# Altium PCB 一体机V1.PcbDoc (part 1 of 5) (continued)
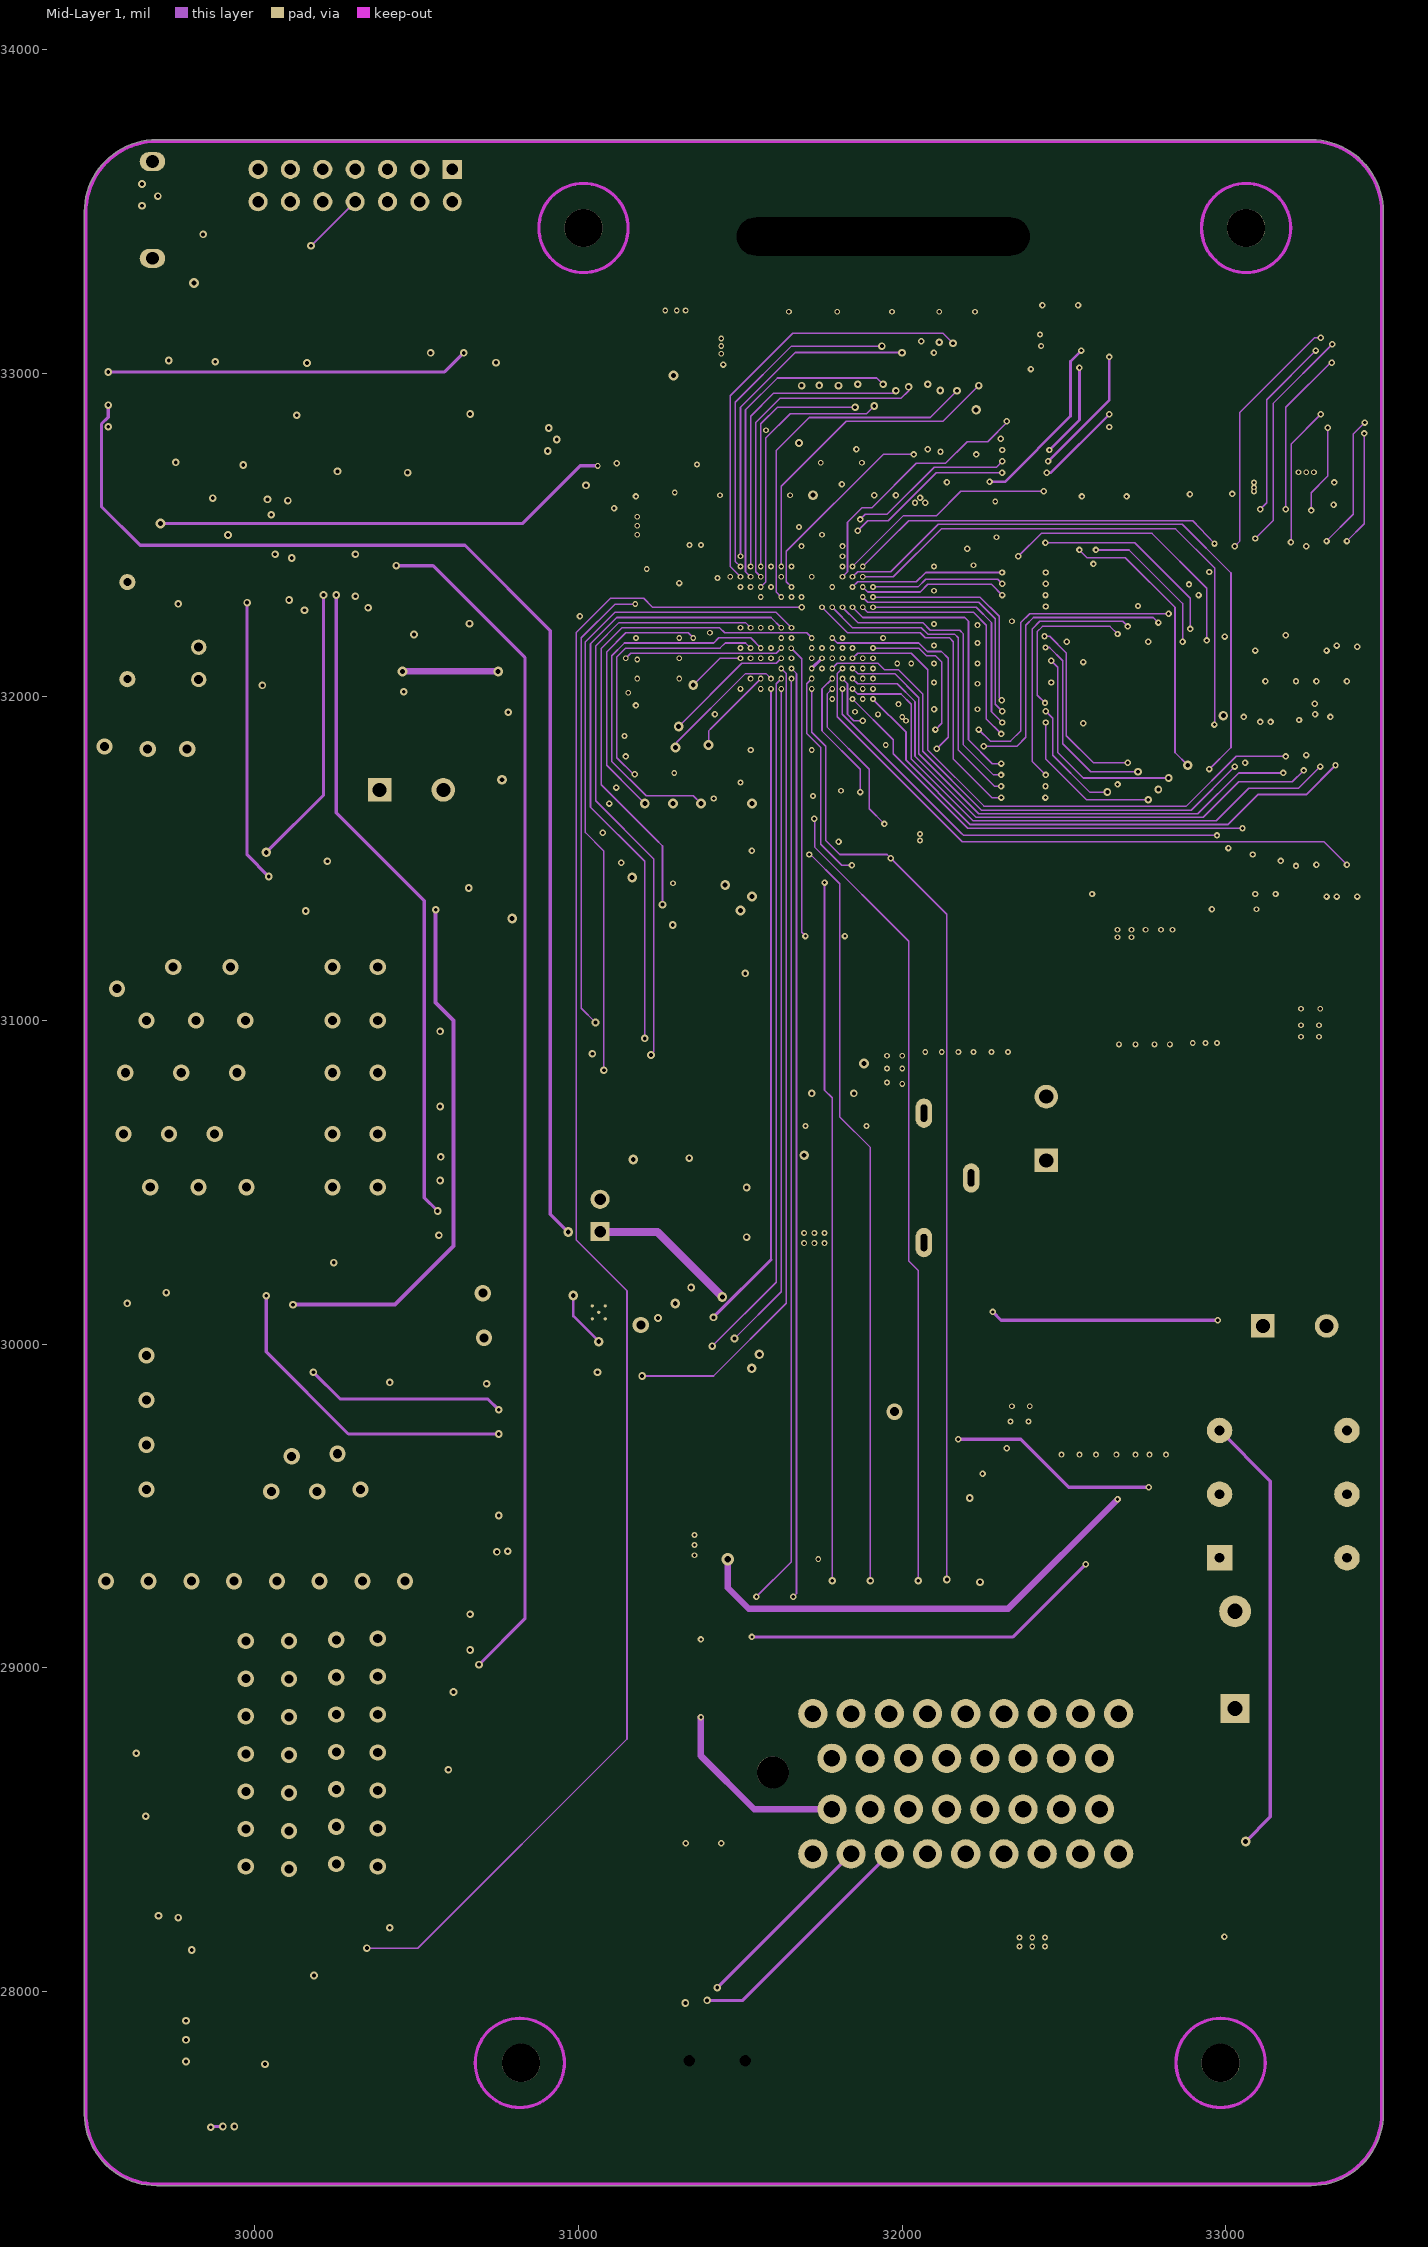
[diagram p4: Mid-Layer 1]
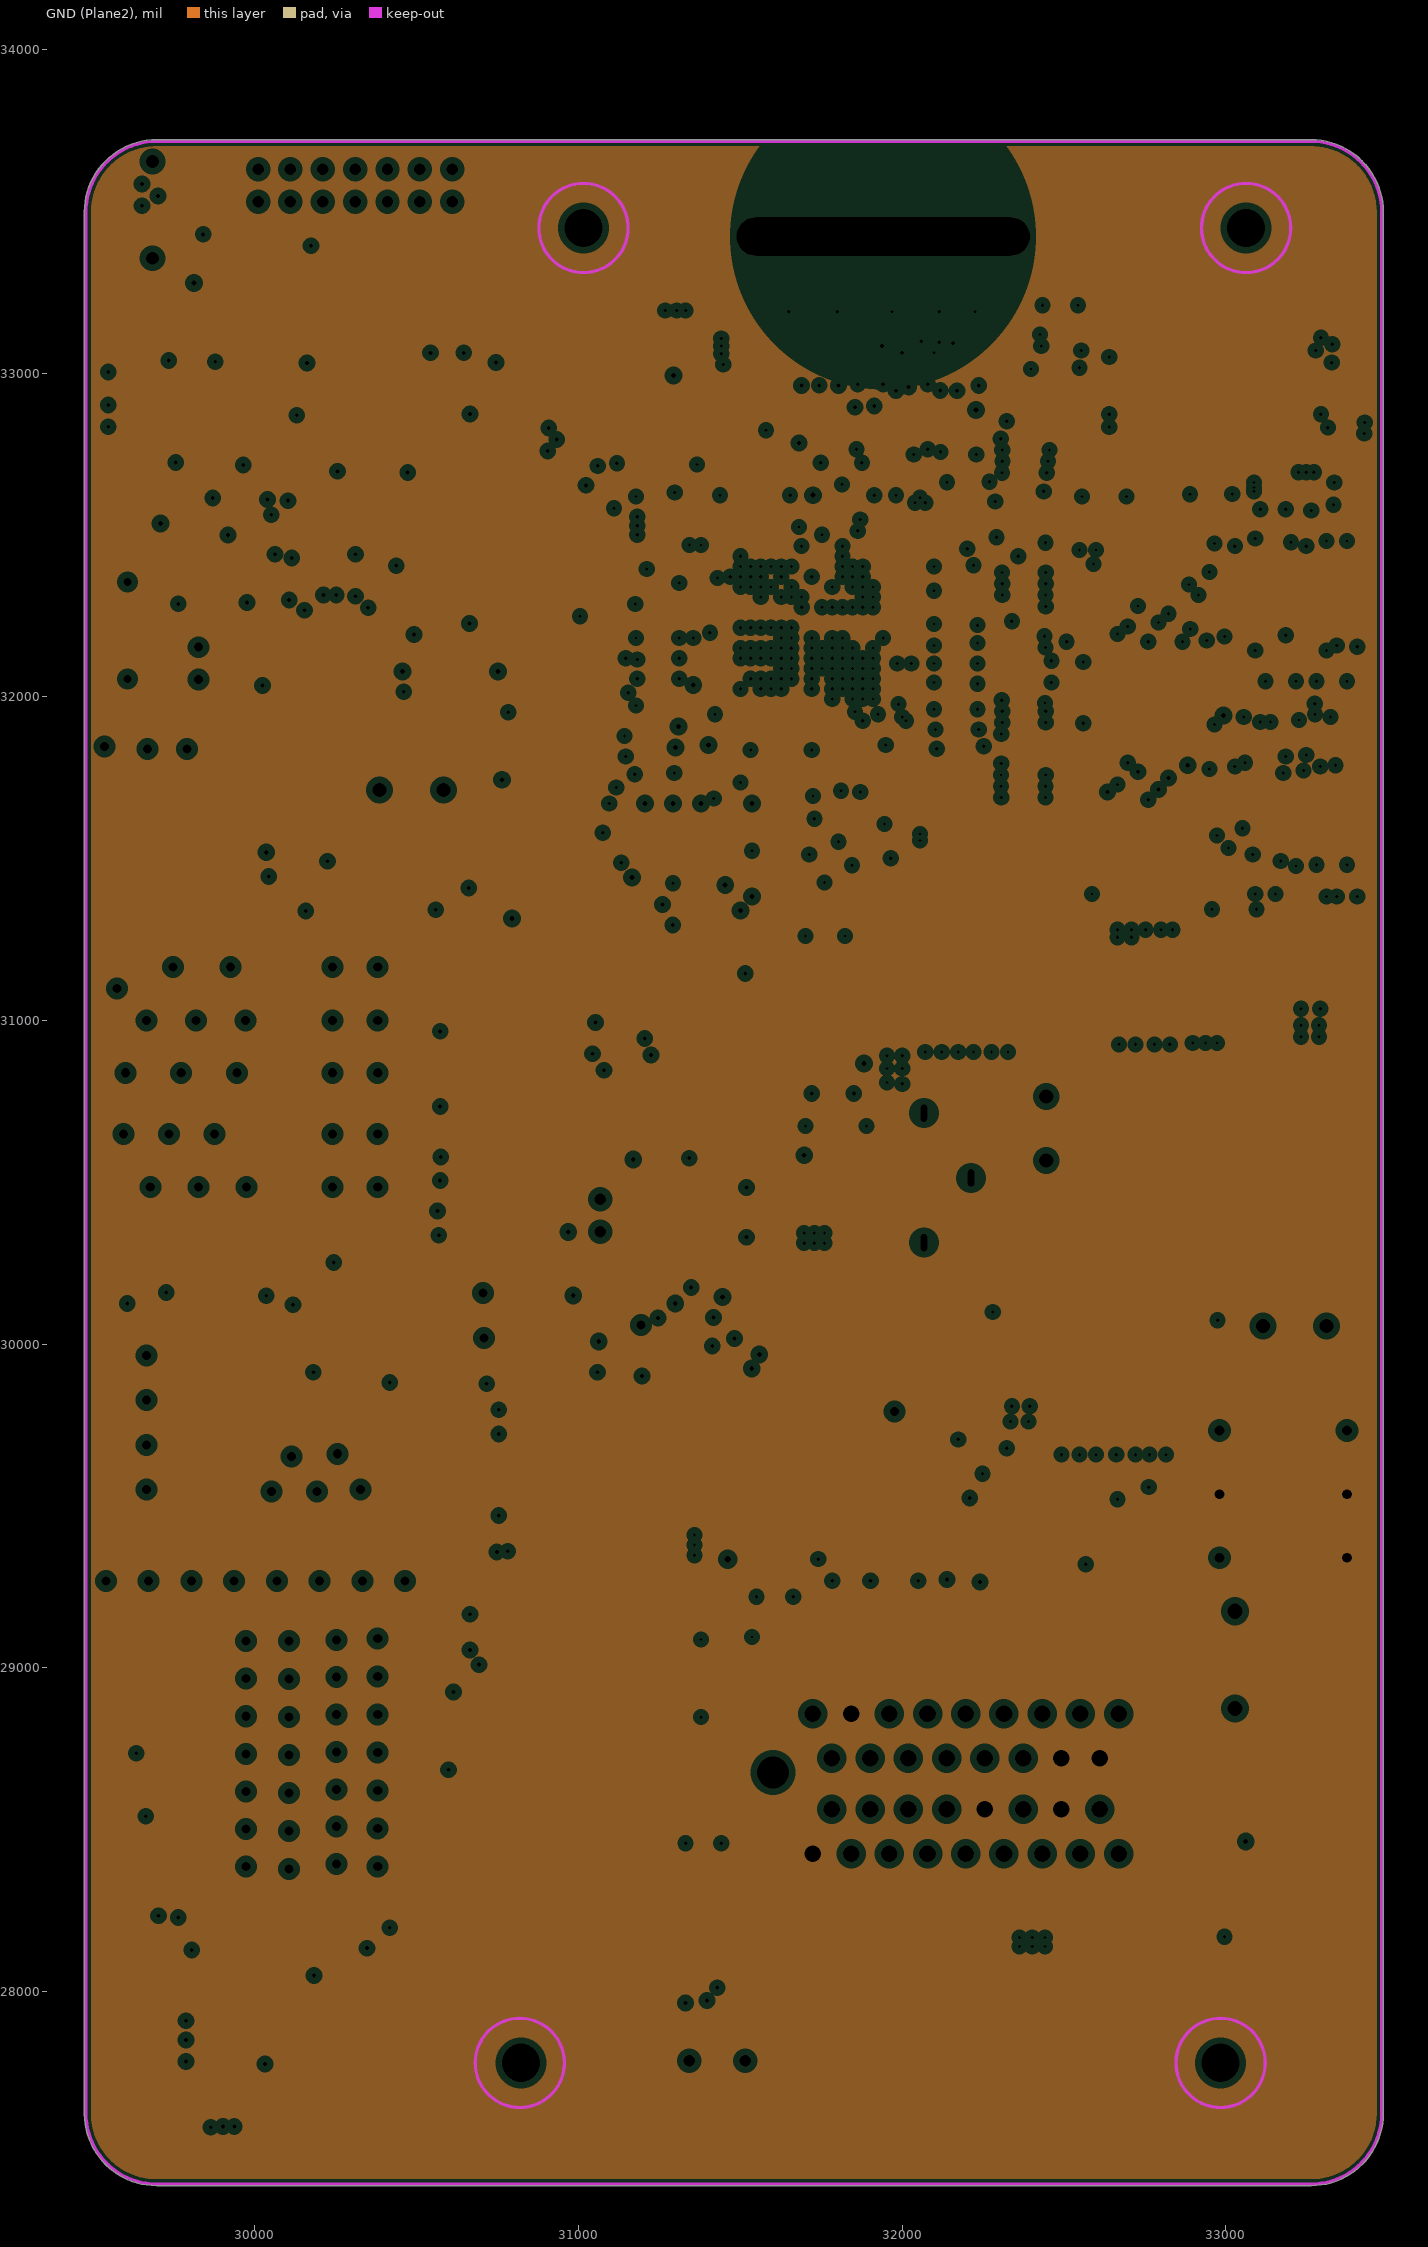
[diagram p5: GND (Plane2), clearances drawn from the general rule]
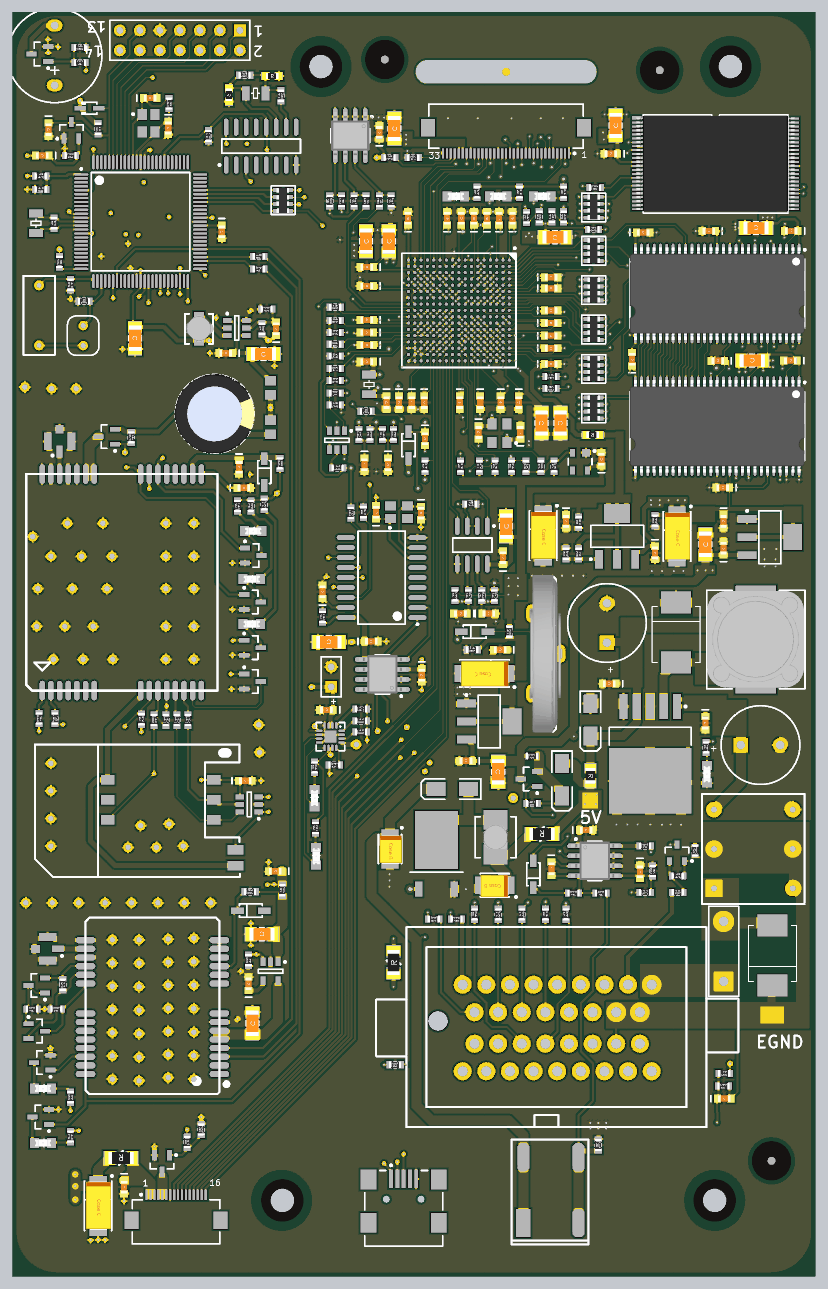
[diagram p10: 3D render of the assembled board from above, using the file's embedded part models]
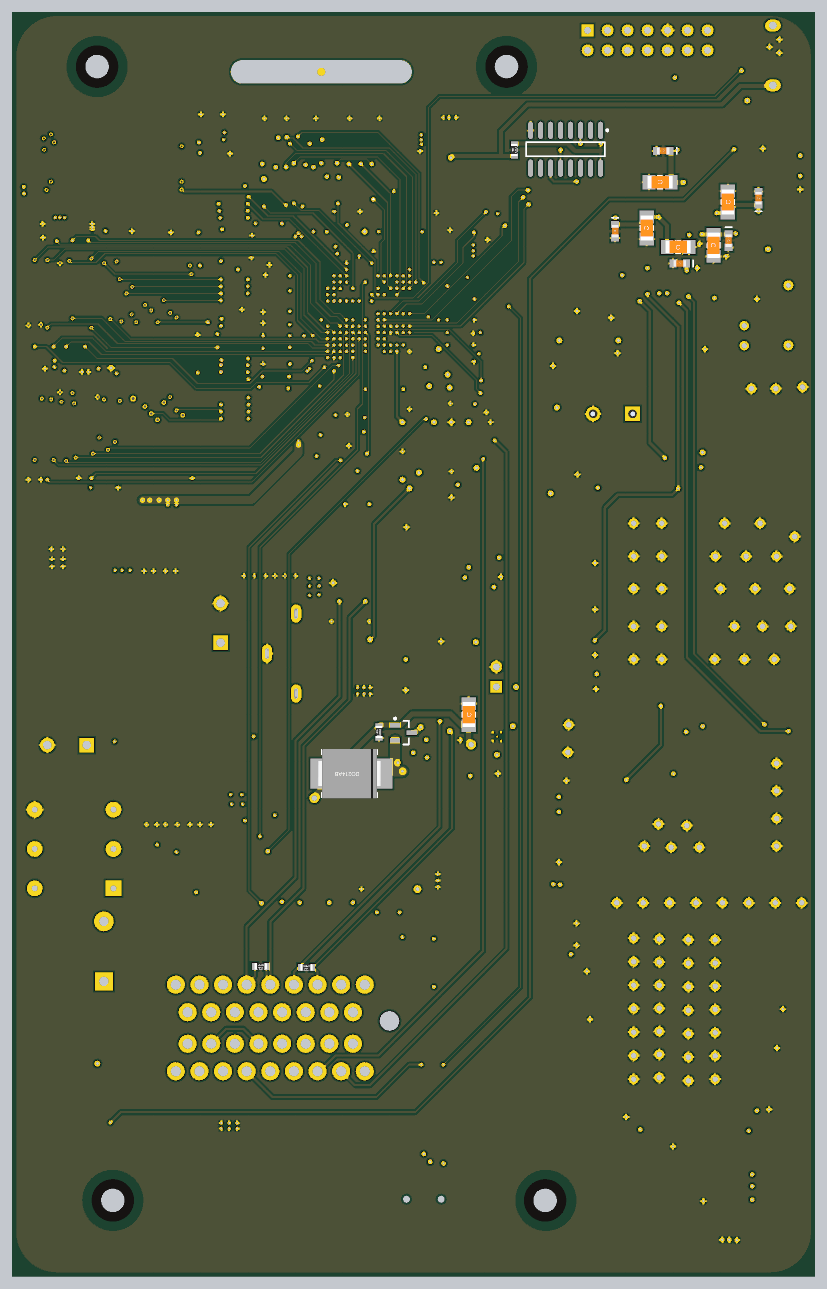
[diagram p11: 3D render of the assembled board from below, using the file's embedded part models]

## Layer stack, top to bottom
Top Layer: signal copper 1.4
Dielectric: core 12.6, FR-4, Dk 4.8
GND: plane copper 1.4, net GND
Dielectric: prepreg 12.6, FR-4, Dk 4.8
VCC: plane copper 1.4, net (Multiple Nets)
Dielectric: core 12.6, FR-4, Dk 4.8
Mid-Layer 1: signal copper 1.4
Dielectric: prepreg 12.6, FR-4, Dk 4.8
GND (Plane2): plane copper 1.4, net EGND
Dielectric: core 12.6, FR-4, Dk 4.8
Bottom Layer: signal copper 1.4

## Board outline
29473.46,27621.79 ccw(c29696.95,27623.49) 29696.95,27399.99 33263.75,27399.99 ccw(c33263.75,27623.23) 33486.98,27623.23 33486.98,33498 ccw(c33263.41,33498) 33263.41,33721.58 ccw(c33263.41,33716.57) 33262.76,33721.54 29697.22,33721.54 ccw(c29697.22,33497.77) 29473.45,33497.77 29473.45,27622.05 ccw(c29478.46,27622.05)

## Design rules (kind name [scope] priority, off if disabled: settings)
Clearance Clearance_BGA [InBGA] p1: gap=4
Clearance [All] p2: gap=4
PlaneClearance [All] p1: clearance=20
PlaneConnect PlaneConnect_VIA [Isvia] p1: planeconnectstyle=Direct reliefexpansion=20 reliefentries=4 reliefconductorwidth=10 reliefairgap=10
PlaneConnect [All] p2: planeconnectstyle=Relief reliefexpansion=20 reliefentries=4 reliefconductorwidth=10 reliefairgap=10
PolygonConnect [All] p1: connectstyle=Relief reliefconductorwidth=10 reliefentries=4 polygonreliefangle="90 Angle" airgapwidth=10
RoomDefinition CD4060BM_硬件定时器 [InComponentClass('CD4060BM_硬件定时器')] p1: confinementstyle=ConfineIn formatcopy=TRUE lockcomponents=FALSE outline 25779.53,31763.78 27267.72,31763.78 27267.72,33474.41 25779.53,33474.41
RoomDefinition 05-CAN [InComponentClass('05-CAN')] p2: confinementstyle=ConfineIn formatcopy=TRUE lockcomponents=FALSE outline 31553.15,31200.79 30976.38,31200.79 30976.38,30295.28 31553.15,30295.28
RoomDefinition 12-MSP430 [InComponentClass('12-MSP430')] p3: confinementstyle=ConfineIn formatcopy=TRUE lockcomponents=FALSE outline 28448.82,34759.84 35661.41,34759.84 35661.41,35226.38 28448.82,35226.38
RoomDefinition 13-GPRS [InComponentClass('13-GPRS')] p4: confinementstyle=ConfineIn formatcopy=TRUE lockcomponents=FALSE outline 28051.18,30649.61 28665.35,30649.61 28665.35,29748.03 28051.18,29748.03
RoomDefinition 14-GPS [InComponentClass('14-GPS')] p5: confinementstyle=ConfineIn formatcopy=TRUE lockcomponents=FALSE outline 28062.99,29610.24 28610.24,29610.24 28610.24,28846.46 28062.99,28846.46
RoomDefinition "GPS POWER" [InComponentClass('GPS POWER')] p6: confinementstyle=ConfineIn formatcopy=TRUE lockcomponents=FALSE outline 28311.02,33251.97 28311.02,31791.34 27582.68,31791.34 27582.68,33251.97
RoomDefinition 06-RS485 [InComponentClass('06-RS485')] p7: confinementstyle=ConfineIn formatcopy=TRUE lockcomponents=FALSE outline 32004.65,30595.67 32004.65,31304.33 31658.19,31304.33 31658.19,30595.67
RoomDefinition 07-LCD [InComponentClass('07-LCD')] p8: confinementstyle=ConfineIn formatcopy=TRUE lockcomponents=FALSE outline 30933.78,27804.33 32729.06,27804.33 32729.06,29737.4 30933.78,29737.4
RoomDefinition "ARM POWER" [InComponentClass('ARM POWER')] p9: confinementstyle=ConfineIn formatcopy=TRUE lockcomponents=FALSE outline 32087.32,30885 33457.32,30885 33457.32,31301.54 32087.32,31301.54
RoomDefinition "Cores POWER" [InComponentClass('Cores POWER')] p10: confinementstyle=ConfineIn formatcopy=TRUE lockcomponents=FALSE outline 31648.35,29816.14 32033.03,29816.14 32033.03,30594.05 31648.35,30594.05
RoomDefinition IIC [InComponentClass('IIC')] p11: confinementstyle=ConfineIn formatcopy=TRUE lockcomponents=FALSE outline 31032.21,32820.27 31410.16,32820.27 31410.16,33265.16 31032.21,33265.16
RoomDefinition INTERFACE [InComponentClass('INTERFACE')] p12: confinementstyle=ConfineIn formatcopy=TRUE lockcomponents=FALSE outline 33128.9,27902.6 33128.9,29154.53 31238.9,29154.53 31238.9,27902.6
RoomDefinition JTAG [InComponentClass('JTAG')] p13: confinementstyle=ConfineIn formatcopy=TRUE lockcomponents=FALSE outline 32268.43,31308.27 32268.43,31532.68 31642.44,31532.68 31642.44,31308.27
RoomDefinition "MAIN POWER" [InComponentClass('MAIN POWER')] p14: confinementstyle=ConfineIn formatcopy=TRUE lockcomponents=FALSE outline 32020.39,28774.53 33488.9,28774.53 33488.9,30869.53 32020.39,30869.53
RoomDefinition RESET [InComponentClass('RESET')] p15: confinementstyle=ConfineIn formatcopy=TRUE lockcomponents=FALSE outline 32051.89,31497.24 32403.15,31497.24 32403.15,31666.53 32051.89,31666.53
RoomDefinition "USB Device" [InComponentClass('USB Device')] p16: confinementstyle=ConfineIn formatcopy=TRUE lockcomponents=FALSE outline 31020.39,31953.94 31020.39,31414.53 31154.25,31414.53 31154.25,31953.94
RoomDefinition "USB Host" [InComponentClass('USB Host')] p17: confinementstyle=ConfineIn formatcopy=TRUE lockcomponents=FALSE outline 31406.22,31390.94 31406.22,31658.27 31162.13,31658.27 31162.13,31390.94
RoomDefinition 指示灯 [InComponentClass('指示灯')] p18: confinementstyle=ConfineIn formatcopy=TRUE lockcomponents=FALSE outline 31768.23,32764.96 32256.42,32764.96 32256.42,32867.32 31768.23,32867.32
RoomDefinition 按键接口 [InComponentClass('按键接口')] p19: confinementstyle=ConfineIn formatcopy=TRUE lockcomponents=FALSE outline 31112.91,27541.53 32065.67,27541.53 32065.67,28384.05 31112.91,28384.05
RoomDefinition 系统电路 [InComponentClass('系统电路')] p20: confinementstyle=ConfineIn formatcopy=TRUE lockcomponents=FALSE outline 32197.56,33583.86 31748.74,33583.86 31748.74,33501.18 32197.56,33501.18
RoomDefinition 蜂鸣器 [InComponentClass('蜂鸣器')] p21: confinementstyle=ConfineIn formatcopy=TRUE lockcomponents=FALSE outline 29425.2,33220.47 29933.9,33220.47 29933.9,33751.97 29425.2,33751.97
RoomDefinition 02-CPU2 [InComponentClass('02-CPU2')] p22: confinementstyle=ConfineIn formatcopy=TRUE lockcomponents=FALSE outline 31146.38,31969.68 31146.38,32670.47 31020.39,32670.47 31020.39,31969.68
RoomDefinition 04-MEM [InComponentClass('04-MEM')] p23: confinementstyle=ConfineIn formatcopy=TRUE lockcomponents=FALSE outline 33456.69,31298.98 33456.69,32680.98 32269.25,32680.98 32269.25,31298.98
RoomDefinition RTC [InComponentClass('RTC')] p24: confinementstyle=ConfineIn formatcopy=TRUE lockcomponents=FALSE outline 32016.46,30075.98 32252.68,30075.98 32252.68,30930.31 32016.46,30930.31
RoomDefinition 03-FLASH [InComponentClass('03-FLASH')] p25: confinementstyle=ConfineIn formatcopy=TRUE lockcomponents=FALSE outline 32133.86,32685.84 33456.81,32685.84 33456.81,33248.84 32133.86,33248.84
RoomDefinition LVDS [InComponentClass('LVDS')] p26: confinementstyle=ConfineIn formatcopy=TRUE lockcomponents=FALSE outline 31414.1,32953.94 32394.41,32953.94 32394.41,33296.46 31414.1,33296.46
RoomDefinition 01-CPU1 [InComponentClass('01-CPU1')] p27: confinementstyle=ConfineIn formatcopy=TRUE lockcomponents=FALSE outline 31085.43,31540.55 32265.43,31540.55 32265.43,32862.99 31085.43,32862.99
RoomDefinition "BAT POWER" [InComponentClass('BAT POWER')] p28: confinementstyle=ConfineIn formatcopy=TRUE lockcomponents=FALSE outline 26480.31,28834.65 27692.91,28834.65 27692.91,30661.42 26480.31,30661.42
RoutingVias RoutingVias_BGA [INBGA] p1: holewidth=10 width=18 viastyle="Through Hole" minholewidth=10 minwidth=18 maxholewidth=28 maxwidth=50
RoutingVias [All] p2: holewidth=11.81 width=23.62 viastyle="Through Hole" minholewidth=10 minwidth=18 maxholewidth=28 maxwidth=50
SMDNeckDown [All] p1: percent=50.000
SilkToSolderMaskClearance SilkscreenOverComponentPads [IsPad] p1: minsilkscreentomaskgap=10 clearancetoexposedcopper=TRUE
SolderMaskExpansion [All] p1: expansion=4
Width [All] p1: maxlimit=100 minlimit=5 preferedwidth=10
25 further rules are at their usual default settings.

## Classes and differential pairs
component class 02-CPU2: R2 R3 R4 R5 RA1
component class 01-CPU1: C2 C3 C4 C5 C6 C7 C8 C9 C10 C11 C12 C13 C14 C15 C16 C17 C18 C19 C20 C21 C22 C23 C24 C25 C26 C28 C29 C30 C31 C32 C34 CP1 CP2 CP3 CP4 D1 R1 RK3 U1 Y1 Y2
component class 指示灯: B2 B3 B4 R62 R63 R64
component class "USB Device": R57 R58 R59 R60 R61 U14 US1
component class 06-RS485: C48 C49 C50 CP8 R12 R13 R14 R15 R16 R17 U6
component class 07-LCD: C51 C52 C53 CT1 CT2 D2 D3 J1 L1 Q1 R18 R19 R20 R21 R22 R23 R24 RF1 U7
component class 03-FLASH: C89 CP28 NR2 R110 R111 R112 R113 RA7 TP1 U22
component class INTERFACE: J2 R34 R35 R36 R37 R38 R39 R40 R41 R42 RF2
component class JTAG: R43 R44 R45 R46 R47
component class 12-MSP430: C68 C69 C70 C71 C72 C73 C74 C76 C78 CP19 CP20 CP21 CP22 CP23 D9 P2 R70 R71 R72 R73 R74 R75 S1 S2 U16 Y4 Y5
component class "BAT POWER": B5 BT1 C86 C87 CP27 D17 D18 D19 Q15 R101 R102 R103 R104 R105 R106 R107 R108 R109 U21
component class RESET: C66 R55 R56 U13
component class IIC: C62 CP17 NR1 R29 R30 R31 R32 R33 U12
component class 按键接口: C67 CP18 J4 Q4 R65 R66 R67 RF3
component class 13-GPRS: C79 C80 C81 CV3 D10 D11 D12 D13 J5 LR3 P3 Q6 Q7 Q8 Q9 Q10 R76 R77 R78 R79 R80 R81 R82 R83 R84 R85 R86 R87 U17 U18
component class "MAIN POWER": C63 C64 C65 CV1 CV2 D4 D5 D6 D7 FU1 HL1 L3 P1 Q2 Q3 R49 R50 R51 R52 R53 R54 RD7 RT1 RT2 Z1
component class "Cores POWER": C58 C59 CP13 CP14 RD6 RV3 U10
component class RTC: B1 D8
component class "ARM POWER": C54 C55 C56 C57 CP9 CP10 CP11 CP12 R25 R26 RV1 RV2 U8 U9
component class 05-CAN: C43 C44 C45 C46 C47 CP7 R8 R9 R10 R11 U4 U5 UH1 Y3
component class LVDS: J6 R114 R115
component class 14-GPS: C82 CP24 CP25 D14 D15 D16 LR4 P4 Q11 Q12 Q13 Q14 R88 R89 R90 R91 R92 R93 R94 R95 R96 U19 U20
component class 系统电路: M1 M2 M3
component class 04-MEM: C35 C36 C37 C38 C39 C40 C41 CP5 CP6 R6 R7 RA2 RA3 RA4 RA5 RA6 U2 U3
component class "GPS POWER": C60 C61 CP15 CP16 L2 LR1 R27 R28 U11
component class "USB Host": C83 C84 R97 R98 R99 R100
component class 蜂鸣器: Q5 R68 R69 U15
component class CD4060BM_硬件定时器: C90 C91 C92 Q16 R116 R117 R118 R119 R120 U23 U24 Y6

## Components (designator, comment, footprint, x,y, rotation, side; value= is the part's Value field where it differs from the comment)
B1 "BATTERY" BR2032-1GV 32067.64,30713.78 r270 top
B2 "GREEN" 0805LED 31902.09,32800.39 r180 top
B3 "GREEN" 0805LED 31689.49,32800.39 r180 top
B4 "GREEN" 0805LED 32122.76,32800.39 r180 top
BT1 "Battery" BAT-2 31066.93,30397.64 r90 top
C2 "0.1uF" 1608[0603]CA 31709.37,31768.9 r270 top
C3 "0.1uF" 1608[0603]#1 31244.8,32056.3 r180 top
C4 "0.1uF" 1608[0603]#1 31532.21,31768.9 r270 top
C5 "0.1uF" 1608[0603]#1 32166.06,32103.54 r0 top
C6 "0.1uF" 1608[0603]#1 32166.06,32229.53 r0 top
C7 "0.1uF" 1608[0603]#1 31811.73,31768.9 r270 top
C8 "0.1uF" 1608[0603]#1 32004.65,31768.9 r270 top
C9 "0.1uF" 1608[0603]#1 31906.22,32690.16 r90 top
C10 "0.1uF" 1608[0603]#1 32166.06,32394.88 r0 top
C11 "0.1uF" 1608[0603]#1 32166.06,32040.55 r0 top
C12 "15pF" 1608[0603]#1 31343.23,31768.9 r270 top
C13 "0.1uF" 1608[0603]CA 31914.1,31768.9 r270 top
C14 "0.1uF" 1608[0603]CA 31845.43,32690.16 r90 top
C15 "0.1uF" 1608[0603]CA 32166.06,32166.53 r0 top
C16 "0.1uF" 1608[0603]CA 32166.06,31961.81 r0 top
C17 "0.1uF" 1608[0603]CA 31973.15,32690.16 r90 top
C18 "0.1uF" 1608[0603]CA 32166.06,32339.76 r0 top
C19 "15pF" 1608[0603]#1 31803.86,31619.29 r270 top
C20 "2700pF" 1608[0603]#1 31406.22,31768.9 r270 top
C21 "680pF" 1608[0603]#1 31469.21,31768.9 r270 top
C22 "15pF" 1608[0603]#1 31244.8,31973.62 r180 top
C23 "15pF" 1608[0603]#1 32012.52,31619.29 r90 top
C24 "0.1uF" 1608[0603]#1 31244.8,32446.06 r180 top
C25 "0.1uF" 1608[0603]#1 31244.8,32119.29 r180 top
C26 "0.1uF" 1608[0603]#1 31717.25,32690.16 r90 top
C28 "0.1uF" 1608[0603]CA 31646.38,32690.16 r90 top
C29 "0.1uF" 1608[0603]CA 31780.24,32690.16 r90 top
C30 "0.1uF" 1608[0603]CA 31450.43,32690.16 r90 top
C31 "0.1uF" 1608[0603]CA 31244.8,32351.57 r180 top
C32 "0.1uF" 1608[0603]CA 31244.8,32182.28 r180 top
C34 "0.1uF" 1608[0603]#1 31536.14,31587.79 r270 top
C35 "0.1uF" 1608[0603]#1 33366.85,32627.16 r180 top
C36 "0.1uF" 1608[0603]#1 32955.71,32626.1 r180 top
C37 "0.1uF" 1608[0603]#1 33000.71,31977.56 r180 top
C38 "0.1uF" 1608[0603]#1 32626.69,32619.29 r0 top
C39 "0.1uF" 1608[0603]#1 33363.31,31978.66 r180 top
C40 "0.1uF" 1608[0603]#1 32571.58,31985.43 r90 top
C41 "0.1uF" 1608[0603]#1 33024.33,31343.7 r180 top
C43 "0.1uF" 1608[0603]#1 31267.72,30574.8 r0 top
C44 "0.1uF" 1608[0603]#1 31023.62,30822.83 r90 top
C45 "0.1uF" 1608[0603]#1 31519.68,30405.51 r270 top
C46 "15pF" 1608[0603]#1 31515.75,31216.54 r270 top
C47 "15pF" 1608[0603]#1 31291.34,31220.47 r90 top
C48 "330pF" 1608[0603]#1 31713.31,30713.78 r180 top
C49 "330pF" 1608[0603]#1 31855.04,30713.78 r0 top
C50 "0.1uF" 1608[0603]#1 31925.91,30993.31 r90 top
C51 "0.1uF" 1608[0603]#1 32341.26,29631.1 r0 top
C52 "0.1uF" 1608[0603]#1 32610.95,29422.44 r270 top
C53 "0.1uF" 1608[0603]#1 32168.03,29438.19 r270 top
C54 "0.1uF" 1608[0603]#1 33028.27,31040.55 r90 top
C55 "0.1uF" 1608[0603]#1 33028.27,31174.41 r270 top
C56 "0.1uF" 1608[0603]#1 32685.75,31016.93 r270 top
C57 "0.1uF" 1608[0603]#1 32240.87,31174.41 r270 top
C58 "0.1uF" 1608[0603]#1 31740.87,29977.56 r180 top
C59 "0.1uF" 1608[0603]#1 31912.13,30532.68 r180 top
C60 "C1608X7R1H104K" 1608[0603]C 30539.37,32015.75 r180 top
C61 "C1608X7R1H104K" 1608[0603]C 30791.34,32137.8 r90 top
C62 "0.1uF" 1608[0603]#1 31307.8,33119.29 r90 top
C63 "0.1uF" 1608[0603]#1 32937.72,30166.53 r270 top
C64 "0.1uF" 1608[0603]#1 32457.4,30363.38 r180 top
C65 "0.1uF" 1608[0603]#1 33032.21,28288.58 r0 top
C66 "0.1uF" 1608[0603]#1 32418.03,31485.43 r90 top
C67 "0.1uF" 1608[0603]#1 30031.5,27846.46 r270 top
C68 "0.1uF" 1608[0603]#1 29653.54,33133.86 r270 top
C69 "0.1uF" 1608[0603]#1 30232.28,33027.56 r0 bottom
C70 "0.1uF" 1608[0603]#1 29755.91,32791.34 r90 bottom
C71 "0.1uF" 1608[0603]#1 30472.44,32625.98 r270 bottom
C72 "0.1uF" 1608[0603]#1 29905.51,32578.74 r270 bottom
C73 "470nF" 1608[0603]#1 30519.68,32622.05 r270 top
C74 "0.1uF" 1608[0603]#1 30149.61,32464.57 r0 bottom
C76 "15pF" 1608[0603]#1 30251.97,33141.73 r270 top
C78 "15pF" 1608[0603]#1 30161.42,33291.34 r0 top
C79 "0.1uF" 1608[0603]#1 30606.3,31444.88 r270 top
C80 "0.1uF" 1608[0603]#1 30629.92,31342.52 r0 top
C81 "0.1uF" 1608[0603]#1 30637.8,29877.95 r0 top
C82 "0.1uF" 1608[0603]#1 30653.54,28862.2 r90 top
C83 "330pF" 1608[0603]#1 31351.1,31457.87 r270 top
C84 "330pF" 1608[0603]#1 31232.99,31457.87 r270 top
C86 "0.1uF" 1608[0603]#1 31043.31,30232.28 r180 top
C87 "C1608X7R1H104K" 1608[0603]C 30787.4,29425.2 r180 top
C89 "0.1uF" 1608[0603]#1 32465.28,33012.99 r180 top
C90 "C1608X7R1H104K" 1608[0603]C 29622.05,33003.94 r180 top
C91 "15pF" 1608[0603]#2 30771.65,33401.57 r0 top
C92 "15pF" 1608[0603]#2 30555.12,33307.09 r270 top
CP1 "10uF/16V" 3216[1206] 32185.75,32595.67 r0 top
CP2 "10uF/16V" 3216[1206] 32213.31,31666.53 r270 top
CP3 "10uF/16V" 3216[1206] 31355.04,32575.98 r90 top
CP4 "10uF/16V" 3216[1206] 31240.87,32575.98 r90 top
CP5 "10uF/16V" 3216[1206] 33190.71,32641.85 r180 top
CP6 "10uF/16V" 3216[1206] 33171.77,31978.66 r180 top
CP7 "10uF/16V" 3216[1206] 31055.12,30570.87 r180 top
CP8 "10uF/16V" 3216[1206] 31941.65,31150.79 r90 top
CP9 "10uF/16V" 3216[1206] 32937.72,31060.24 r90 top
CP10 "10uF/25V" 6032[2312]CC 32795.99,31099.61 r270 top
CP11 "10uF/16V" 3216[1206] 32118.82,31666.53 r270 top
CP12 "10uF/25V" 6032[2312]CC 32126.69,31103.54 r270 top
CP13 "10uF/16V" 3216[1206] 31902.28,29922.44 r270 top
CP14 "10uF/25V" 6032[2312]CC 31833.39,30414.57 r180 top
CP15 "TAJA106K016RNJ" 3216[1206]CB 30728.35,32011.81 r0 top
CP16 "TAJA106K016RNJ" 3216[1206]CB 30086.61,32090.55 r270 top
CP17 "10uF/16V" 3216[1206] 31382.6,33138.98 r90 top
CP18 "10uF/25V" 6032[2312]CC 29901.57,27751.97 r270 top
CP19 "10uF/16V" 3216[1206] 30314.96,32641.73 r270 bottom
CP20 "10uF/16V" 3216[1206] 29909.45,32771.65 r90 bottom
CP21 "10uF/16V" 3216[1206] 30248.03,32870.08 r0 bottom
CP22 "10uF/16V" 3216[1206] 29980.32,32555.12 r270 bottom
CP23 "10uF/16V" 3216[1206] 30157.48,32547.24 r180 bottom
CP24 "10uF/16V" 3216[1206] 30720.47,29110.24 r180 top
CP25 "10uF/16V" 3216[1206] 30673.23,28665.35 r90 top
CP27 "10uF/16V" 3216[1206] 31204.72,30208.66 r90 bottom